# KiCad board mainboard.kicad_pcb
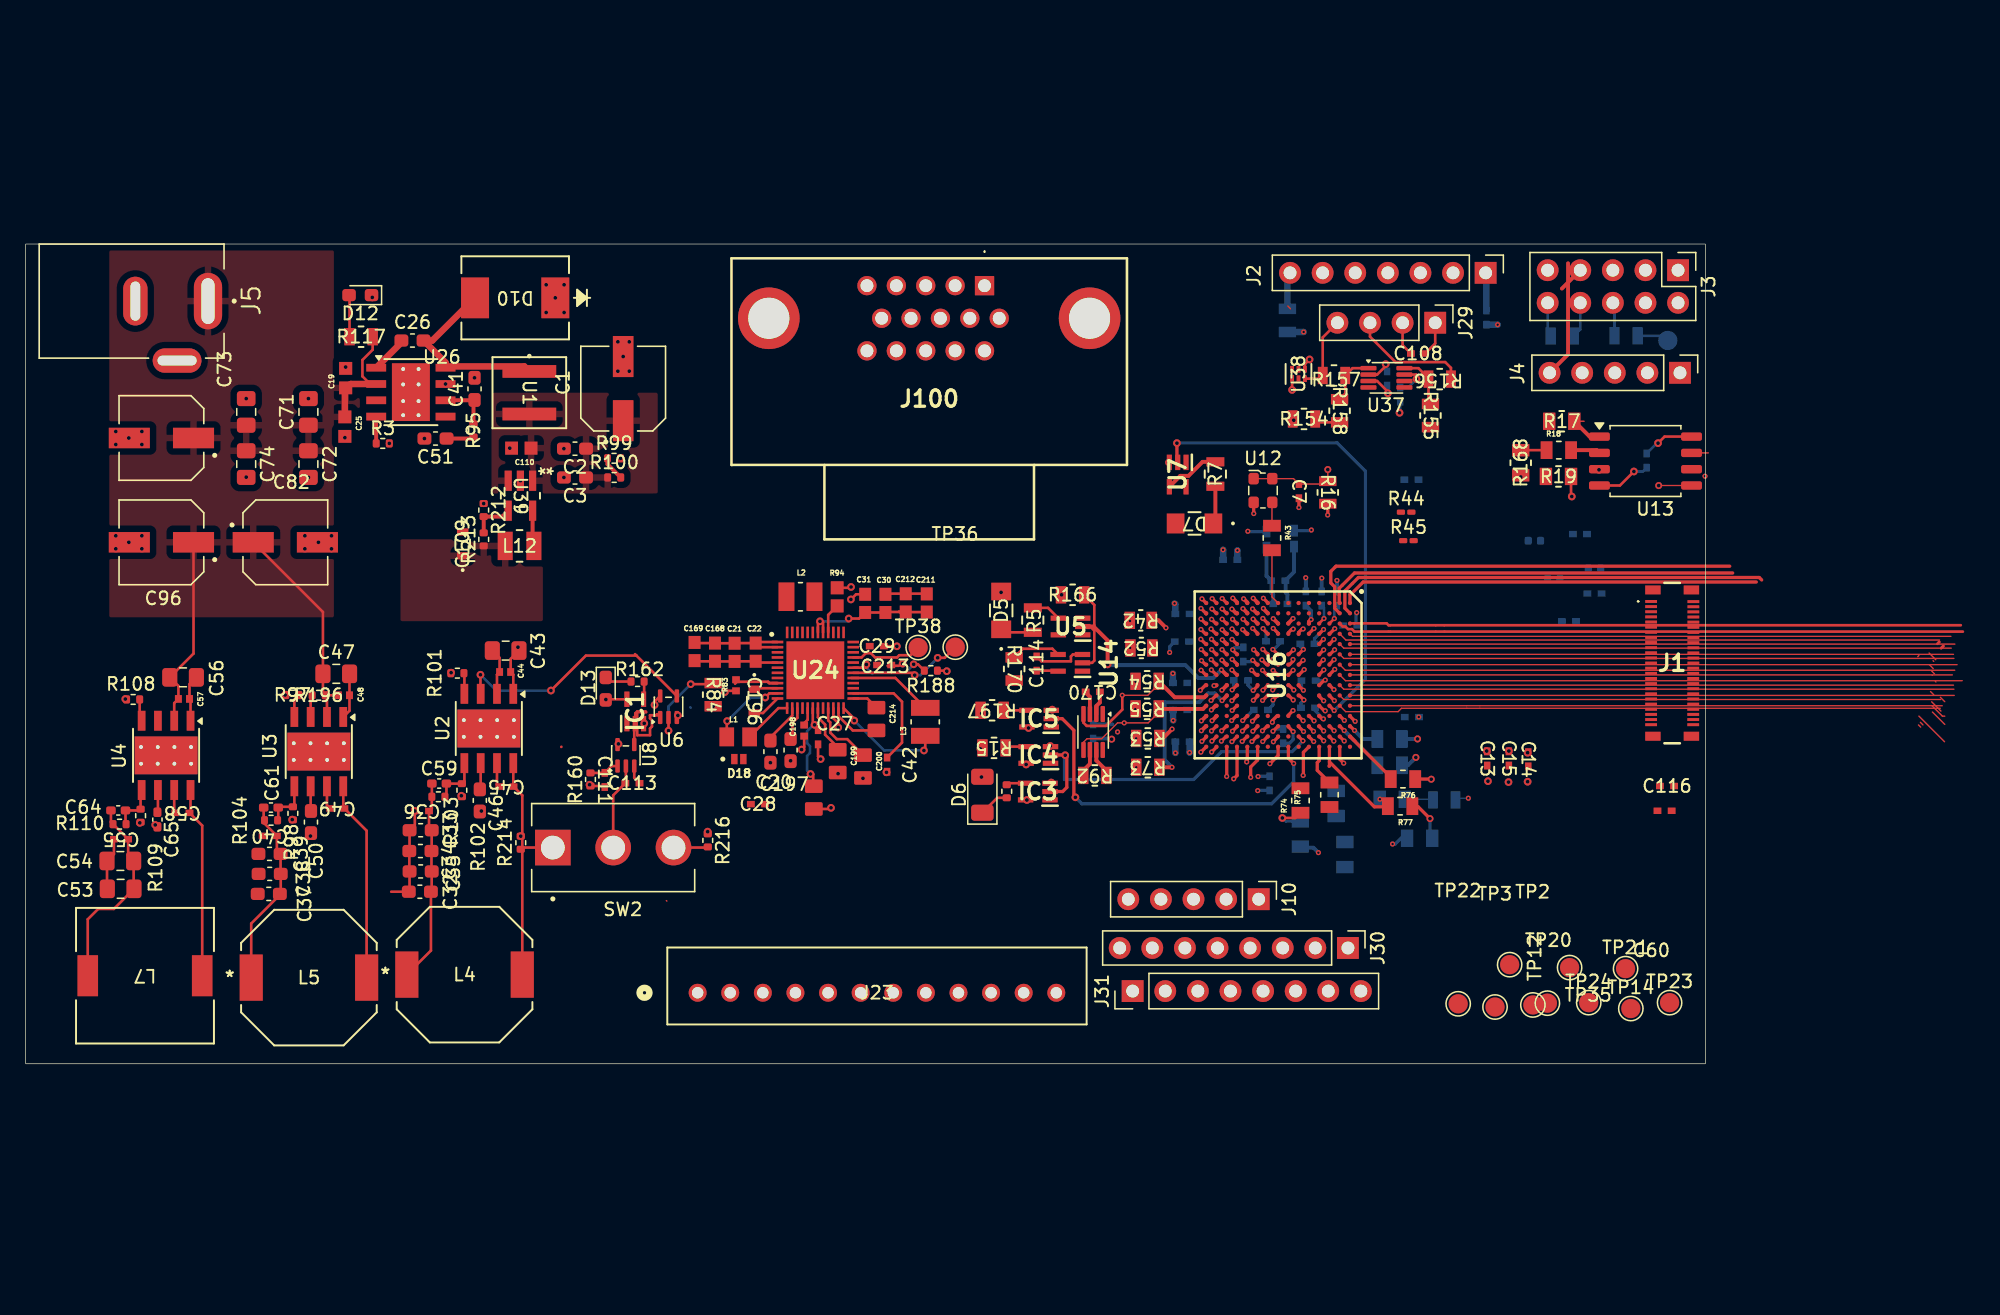
[diagram p0: board, top side]
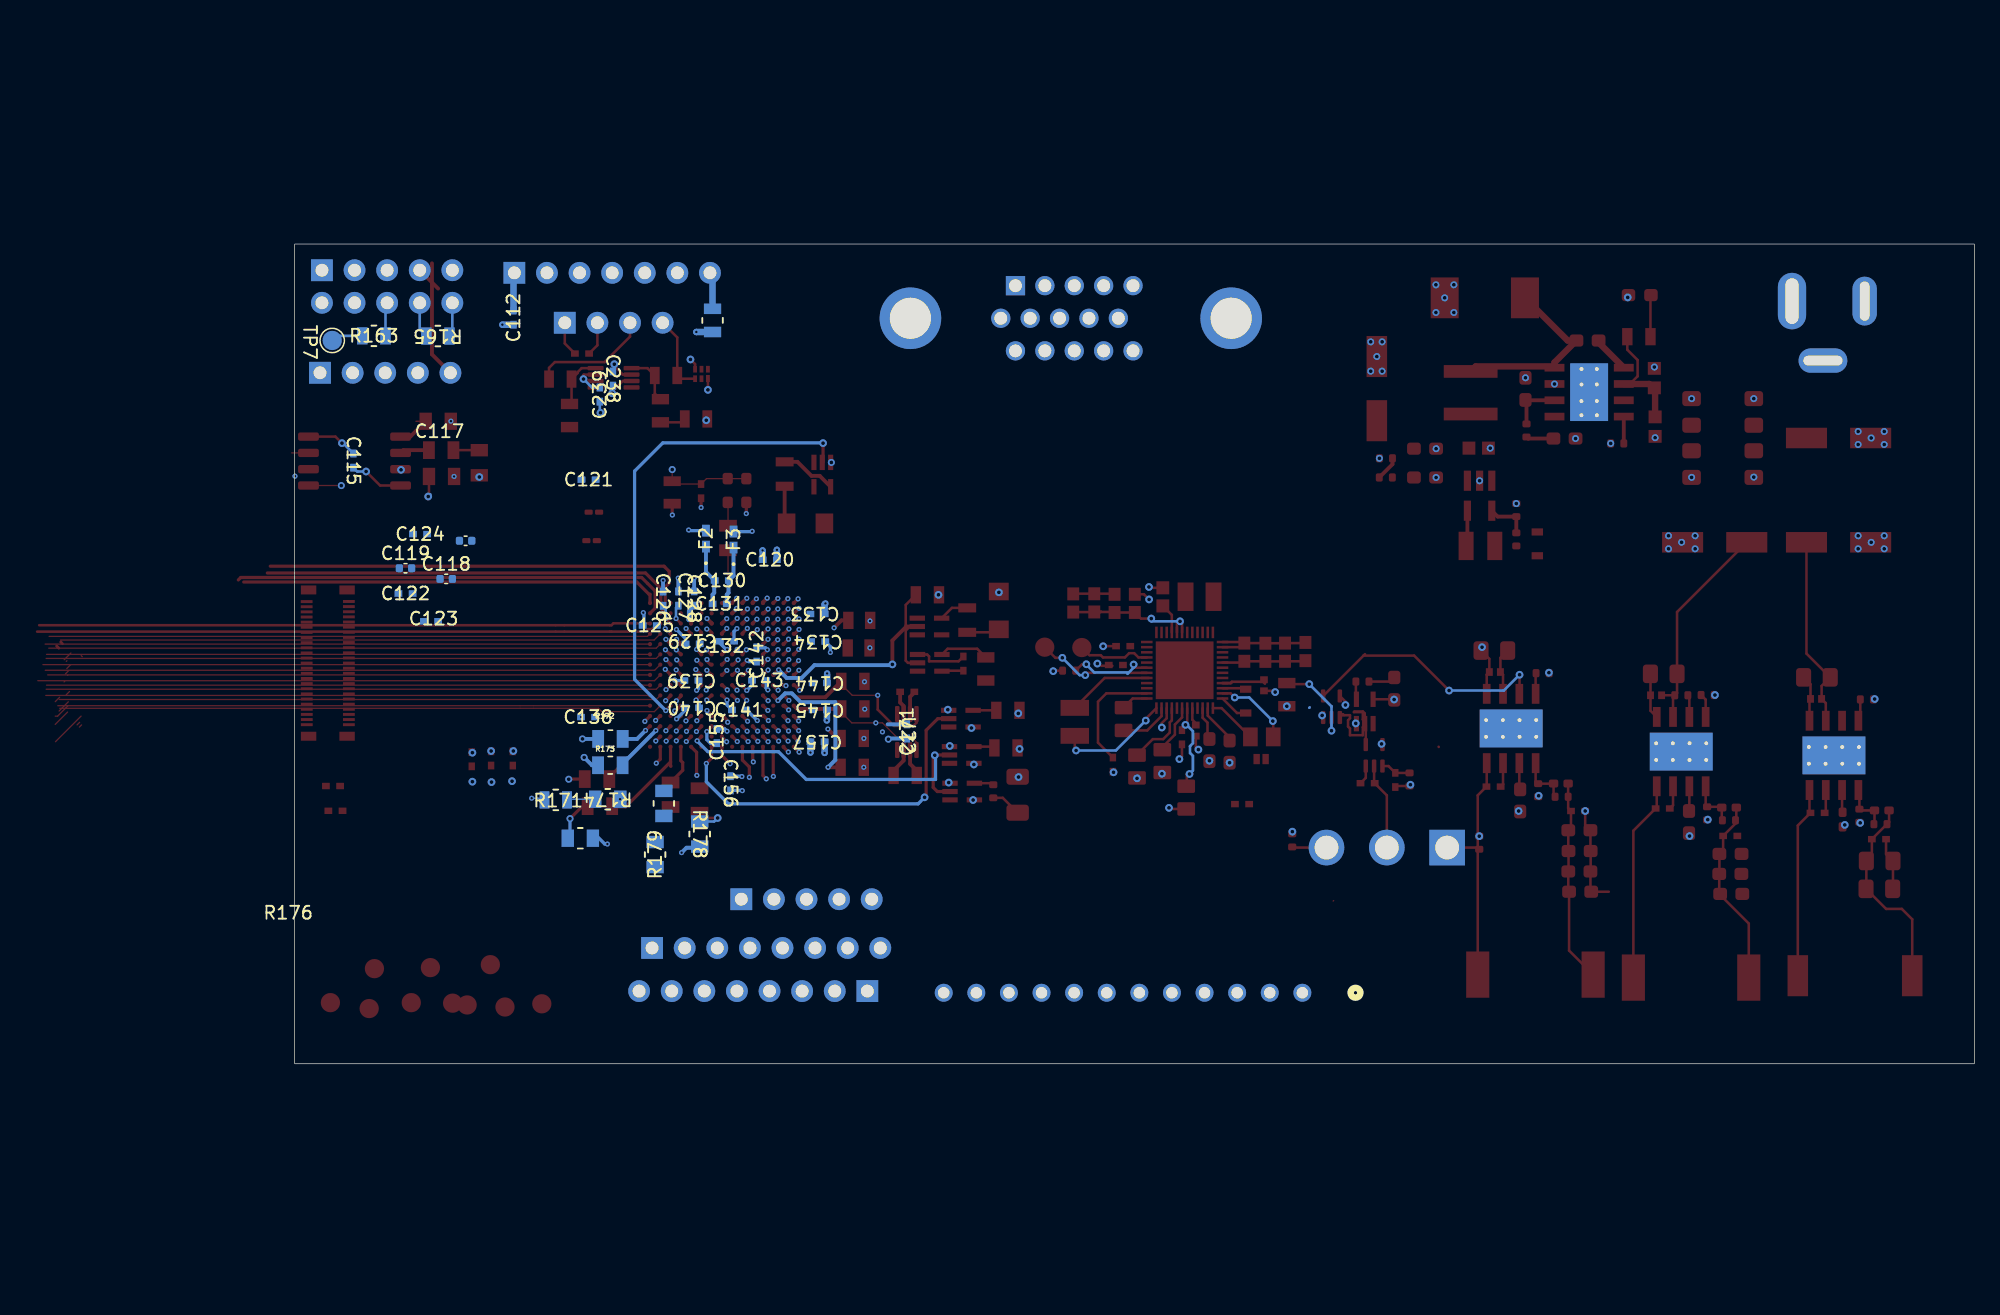
[diagram p1: board, bottom side, seen from below]

Outline 130.85 x 63.87 mm; copper layers: Top, In1.Cu, In2.Cu, In3.Cu, In4.Cu, In5.Cu, In6.Cu, In7.Cu, In8.Cu, Bottom. Coordinates in mm from the lower left corner of the outline.
Outline path: rectangle 0,63.87 130.85,0
Stack: Top 0.035mm / dielectric 0.1mm FR4 er 4.5 / In1.Cu 0.035mm / dielectric 0.1825mm FR4 er 4.5 / In2.Cu 0.035mm / dielectric 0.1mm FR4 er 4.5 / In3.Cu 0.035mm / dielectric 0.1825mm FR4 er 4.5 / In4.Cu 0.035mm / dielectric 0.1mm FR4 er 4.5 / In5.Cu 0.035mm / dielectric 0.1825mm FR4 er 4.5 / In6.Cu 0.035mm / dielectric 0.1mm FR4 er 4.5 / In7.Cu 0.035mm / dielectric 0.1825mm FR4 er 4.5 / In8.Cu 0.035mm / dielectric 0.1mm FR4 er 4.5 / Bottom 0.035mm

## Placement (name value [footprint] x y rotation side)
C1  100 uF  [CAP_EEEFT1V101AP]  46.55 52.61 90 top
C2  12pF  [C_0603_1608Metric_Pad1.08x0.95mm_HandSolder]  42.79 47.93 180 top
C3  12pF  [C_0603_1608Metric_Pad1.08x0.95mm_HandSolder]  42.79 45.68 180 top
C7  100nF  [CAP_CL05_SAM]  99.19 44.62 270 top
C13  100nF  [CAP_CL05_SAM]  113.86 23.79 270 top
C14  100nF  [CAP_CL05_SAM]  117.06 23.73 270 top
C15  100nF  [CAP_CL05_SAM]  115.55 23.79 270 top
C19  4.7uF  [GRM188C81E475KE11D]  24.93 53.43 90 top
C20  220nF  [C_0603_1608Metric_Pad1.08x0.95mm_HandSolder]  58.02 24.32 270 top
C21  22uF  [CAPC1608X100N]  55.23 32.06 270 top
C22  22uF  [CAPC1608X100N]  56.87 32.07 270 top
C25  4.7uF  [GRM188C81E475KE11D]  24.87 49.65 270 top
C26  100nF  [C_0603_1608Metric_Pad1.08x0.95mm_HandSolder]  30.13 56.35 0 top
C27  100nF  [CAP_CL05_SAM]  61.73 25.44 270 top
C28  4.7uF  [CAP_CL05_SAM]  57.05 20.23 0 top
C29  100nF  [CAP_CL05_SAM]  66.31 32.54 0 top
C30  22uF  [CAPC1608X100N]  66.98 35.87 90 top
C31  22uF  [CAPC1608X100N]  65.4 35.87 90 top
C32  22uF  [C_0603_1608Metric_Pad1.08x0.95mm_HandSolder]  30.71 13.4 180 top
C33  22uF  [C_0603_1608Metric_Pad1.08x0.95mm_HandSolder]  30.77 18.19 180 top
C34  22uF  [C_0603_1608Metric_Pad1.08x0.95mm_HandSolder]  30.75 16.57 180 top
C35  22uF  [C_0603_1608Metric_Pad1.08x0.95mm_HandSolder]  30.77 14.98 180 top
C36  100nF  [ul_CL05B104KO5NNNC]  30.87 19.69 180 top
C37  22uF  [C_0603_1608Metric_Pad1.08x0.95mm_HandSolder]  18.94 13.23 180 top
C38  22uF  [C_0603_1608Metric_Pad1.08x0.95mm_HandSolder]  19.01 14.79 180 top
C39  22uF  [C_0603_1608Metric_Pad1.08x0.95mm_HandSolder]  19 16.35 180 top
C40  100nF  [ul_CL05B104KO5NNNC]  19.02 17.75 180 top
C41  12pF  [C_0603_1608Metric_Pad1.08x0.95mm_HandSolder]  34.97 52.59 90 top
C42  100nF  [CAP_CL05_SAM]  67.11 23.31 90 top
C43  4.7uF  [C_0805_2012Metric_Pad1.18x1.45mm_HandSolder]  37.39 32.19 0 top
C44  220nF  [GRM155R6YA224KE01D]  37.35 30.52 0 top
C45  100nF  [ul_CL05B104KO5NNNC]  37.45 21.59 180 top
C46  1uF  [C_0603_1608Metric_Pad1.08x0.95mm_HandSolder]  35.38 20.52 270 top
C47  4.7uF  [C_0805_2012Metric_Pad1.18x1.45mm_HandSolder]  24.2 30.38 0 top
C48  220nF  [GRM155R6YA224KE01D]  24.79 28.71 0 top
C49  100nF  [ul_CL05B104KO5NNNC]  24.28 19.89 180 top
C50  1uF  [C_0603_1608Metric_Pad1.08x0.95mm_HandSolder]  22.23 18.83 270 top
C51  100pF  [C_0603_1608Metric_Pad1.08x0.95mm_HandSolder]  31.93 48.72 180 top
C53  10uF  [C_0805_2012Metric_Pad1.18x1.45mm_HandSolder]  7.4 13.63 180 top
C54  10uF  [C_0805_2012Metric_Pad1.18x1.45mm_HandSolder]  7.38 15.8 180 top
C55  100nF  [ul_CL05B104KO5NNNC]  7.43 17.5 180 top
C56  4.7uF  [C_0805_2012Metric_Pad1.18x1.45mm_HandSolder]  12.26 30.11 0 top
C57  220nF  [GRM155R6YA224KE01D]  12.33 28.43 0 top
C58  100nF  [ul_CL05B104KO5NNNC]  12.21 19.55 180 top
C59  4.7pF  [C_0402_1005Metric_Pad0.74x0.62mm_HandSolder]  32.21 21.83 0 top
C60  100nF  [ul_CL05B104KO5NNNC]  127.68 19.71 0 top
C61  10pF  [C_0402_1005Metric_Pad0.74x0.62mm_HandSolder]  19.11 19.96 0 top
C64  18pF  [C_0402_1005Metric_Pad0.74x0.62mm_HandSolder]  7.21 19.74 0 top
C65  1uF  [C_0402_1005Metric_Pad0.74x0.62mm_HandSolder]  10.26 19.03 270 top
C71  10 uF  [C_0805_2012Metric_Pad1.18x1.45mm_HandSolder]  22.03 50.79 90 top
C72  10 uF  [C_0805_2012Metric_Pad1.18x1.45mm_HandSolder]  22.03 46.73 270 top
C73  10 uF  [C_0805_2012Metric_Pad1.18x1.45mm_HandSolder]  17.18 50.79 90 top
C74  10 uF  [C_0805_2012Metric_Pad1.18x1.45mm_HandSolder]  17.18 46.73 270 top
C82  100 uF  [CAP_EEEFT1V101AP]  20.23 40.63 0 top
C83  100 uF  [CAP_EEEFT1V101AP]  10.58 48.76 180 top
C96  100 uF  [CAP_EEEFT1V101AP]  10.58 40.63 180 top
C108  100n  [CAP_CL05_SAM]  108.47 55.34 0 top
C109  10uF  [C1608X5R1A106M080AC]  34.05 40.51 90 top
C110  4.7uF  [GRM188C81E475KE11D]  38.61 47.97 180 top
C111  100nF  [ul_CL05B104KO5NNNC]  45.11 22.11 270 top
C112  100n  [CAP_CL05_SAM]  113.8 58.14 90 bottom
C113  100nF  [ul_CL05B104KO5NNNC]  47.27 21.86 0 top
C114  100n  [CAP_CL05_SAM]  78.76 31.18 90 top
C115  100n  [CAP_CL05_SAM]  126.28 47 270 bottom
C116  100nF  [CAP_CL05_SAM]  127.87 21.64 0 top
C117  220n  [C_0402_1005Metric]  117.54 40.75 180 bottom
C118  220n  [C_0402_1005Metric]  119.05 37.78 180 bottom
C119  220n  [C_0402_1005Metric]  122.22 38.61 180 bottom
C120  100nF  [CAP_CL05_SAM]  93.84 39.27 180 bottom
C121  100nF  [CAP_CL05_SAM]  107.96 45.51 180 bottom
C122  100nF  [CAP_CL05_SAM]  122.22 36.64 180 bottom
C123  100nF  [CAP_CL05_SAM]  120.23 34.48 180 bottom
C124  100nF  [CAP_CL05_SAM]  121.09 41.27 180 bottom
C125  100nF  [CAP_CL05_SAM]  103.19 34.15 180 bottom
C126  100nF  [CAP_CL05_SAM]  102.15 36.24 270 bottom
C127  100n  [CAP_CL05_SAM]  100.96 36.25 270 bottom
C128  100nF  [CAP_CL05_SAM]  99.73 36.25 270 bottom
C129  100nF  [CAP_CL05_SAM]  99.85 32.72 0 bottom
C130  100nF  [CAP_CL05_SAM]  97.58 37.65 180 bottom
C131  100nF  [CAP_CL05_SAM]  97.74 35.83 180 bottom
C132  100nF  [CAP_CL05_SAM]  97.17 32.92 180 bottom
C133  100nF  [CAP_CL05_SAM]  90.12 35.05 0 bottom
C134  100nF  [CAP_CL05_SAM]  90.07 32.9 0 bottom
C138  100n  [CAP_CL05_SAM]  108 27.01 180 bottom
C139  100nF  [CAP_CL05_SAM]  99.94 29.86 0 bottom
C140  100nF  [CAP_CL05_SAM]  99.9 27.74 0 bottom
C141  100nF  [CAP_CL05_SAM]  96.23 27.57 180 bottom
C142  100nF  [CAP_CL05_SAM]  94.86 31.89 90 bottom
C143  100nF  [CAP_CL05_SAM]  94.67 29.87 180 bottom
C144  100nF  [CAP_CL05_SAM]  89.94 29.67 0 bottom
C145  100nF  [CAP_CL05_SAM]  89.94 27.57 0 bottom
C155  100nF  [CAP_CL05_SAM]  97.96 25.53 90 bottom
C156  100nF  [CAP_CL05_SAM]  96.9 21.85 270 bottom
C157  100nF  [CAP_CL05_SAM]  90.12 25.1 0 bottom
C168  22uF  [CAPC1608X100N]  53.7 32.07 270 top
C169  22uF  [CAPC1608X100N]  52.11 32.12 270 top
C170  100n  [CAP_CL05_SAM]  83.13 28.98 180 top
C171  100n  [CAP_CL05_SAM]  83.16 25.89 90 bottom
C196  10uF  [C1608X5R1A106M080AC]  56.76 28.26 270 top
C197  220nF  [C_0603_1608Metric_Pad1.08x0.95mm_HandSolder]  59.59 24.44 90 top
C198  220nF  [GRM155R6YA224KE01D]  60.65 25.96 90 top
C199  2.2uF  [CAPC2012X135N]  63.26 23.58 270 top
C200  1uF  [CAPC2012X135N]  65.23 23.16 270 top
C201  1uF  [CAPC2012X135N]  61.4 20.74 270 top
C211  22uF  [CAPC1608X100N]  70.2 35.9 90 top
C212  22uF  [CAPC1608X100N]  68.56 35.91 90 top
C213  100nF  [CAP_CL05_SAM]  66.88 31.07 0 top
C214  1uF  [CAPC2012X135N]  66.28 26.86 270 top
C238  100nF  [CAP_CL05_SAM]  106.06 53.39 270 bottom
C239  100nF  [CAP_CL05_SAM]  107.08 52.14 90 bottom
D5  SML-LX1206SIC-TR  [LED_SML-LX1206SIC-TR_LUM-M]  76 35.32 90 top
D6  LED  [LED_1206_3216Metric]  74.53 20.96 90 top
D7  SML-LX1206SIC-TR  [LED_SML-LX1206SIC-TR_LUM-M]  91.06 42.1 180 top
D10  B560C  [SMC_DIO]  38.13 59.68 180 top
D12  LED  [LED_0603_1608Metric_Pad1.05x0.95mm_HandSolder]  26.07 59.89 180 top
D13  LED  [LED_0603_1608Metric_Pad1.05x0.95mm_HandSolder]  45.19 29.23 270 top
D18  D_Schottky  [DIO_PESD5V0S1UL_315]  55.56 23.74 0 top
F2  1500mA  [BLM15P_FBD-M]  98.81 40.92 90 bottom
F3  1500mA  [BLM15P_FBD-M]  96.66 40.85 90 bottom
IC1  SN74AUP1G06DCKR  [SOT65P210X110-5N]  47.49 27.45 90 top
IC3  SN74AUP1G06DCKR  [SOT65P210X110-5N]  78.85 21.21 180 top
IC4  SN74AUP1G07DCKR  [SOT65P210X110-5N]  78.89 24.06 180 top
IC5  SN74AUP1G07DCKR  [SOT65P210X110-5N]  78.95 26.89 180 top
J1  -  [AXT550124]  128.27 31.22 0 top
J2  Conn_01x07_Pin  [PinHeader_1x07_P2.54mm_Vertical]  113.74 61.63 270 top
J3  Conn_02x05_Odd_Even  [PinHeader_2x05_P2.54mm_Vertical]  128.73 61.83 270 top
J4  Conn_01x05_Pin  [PinHeader_1x05_P2.54mm_Vertical]  128.88 53.84 270 top
J5  EJ508B  [MPD_EJ508B]  11.79 59.43 270 top
J10  Conn_01x05_Pin  [PinHeader_1x05_P2.54mm_Vertical]  96.06 12.82 270 top
J23  B12B-XH-ALFSN  [B12B-XH-A-LF-SN-]  52.35 5.53 0 top
J29  Conn_01x04_Pin  [PinHeader_1x04_P2.54mm_Vertical]  109.81 57.74 270 top
J30  Conn_01x08_Pin  [PinHeader_1x08_P2.54mm_Vertical]  103.01 9.02 270 top
J31  Conn_01x08_Pin  [PinHeader_1x08_P2.54mm_Vertical#2]  86.24 5.66 90 top
J100  AHDF15A-KG-TAXB  [AHDF15AKGTAXB]  70.33 51.74 0 top
L1  10uH  [INDC2012X100N]  55.51 25.47 180 top
L2  2.2uH  [INDC2520X100N]  60.36 36.39 180 top
L3  2.2uH  [INDC2520X100N]  70.08 26.64 90 top
L4  SRU1038-3R5Y  [IND_BOURNS_SRU1038]  34.19 6.94 0 top
L5  SRU1038-3R5Y  [IND_BOURNS_SRU1038]  22.07 6.71 0 top
L7  DR1040-5R2-R  [DR1040]  9.29 6.86 180 top
L12  LQM2HPN2R2MG0L  [IND_LQM2HPN2R2MG0L_MUR]  38.48 40.35 0 top
R3  78.7k  [R_0402_1005Metric]  27.82 48.34 0 top
R5  100  [RES_CRCW_0805]  78.46 34.57 90 top  (not fitted)
R6  150  [R_0402_1005Metric]  76.43 21.23 90 top
R7  100  [RES_CRCW_0805]  92.68 45.95 90 top  (not fitted)
R15  10k  [STA_RMCF0805_STP]  75.44 24.61 180 top  (not fitted)
R16  0  [RES_R-070RL_VIS]  101.44 44.52 270 top  (not fitted)
R17  100k  [RES_RMCF0805_STP]  119.67 50.06 0 top  (not fitted)
R18  30.1  [RESC2012X60N]  119.44 47.81 0 top  (not fitted)
R19  100k  [RES_RMCF0805_STP]  119.41 45.76 0 top  (not fitted)
R42  7.87k  [RES_RM10_CCE]  86.87 34.55 180 top  (not fitted)
R43  30.1  [RESC2012X60N]  97.09 40.97 270 top  (not fitted)
R44  43  [R_0201_0603Metric_Pad0.64x0.40mm_HandSolder]  107.55 42.98 0 top
R45  43  [R_0201_0603Metric_Pad0.64x0.40mm_HandSolder]  107.72 40.76 0 top
R52  7.87k  [RES_RM10_CCE]  86.92 32.4 180 top  (not fitted)
R53  3.3k  [RES_ERJP06_PAN]  87.42 25.35 180 top  (not fitted)
R54  3.3k  [RES_ERJP06_PAN]  87.37 29.8 180 top  (not fitted)
R55  3.3k  [RES_ERJP06_PAN]  87.37 27.65 180 top  (not fitted)
R73  3.3k  [RES_ERJP06_PAN]  87.42 23.1 180 top  (not fitted)
R74  30.1  [RESC2012X60N]  99.31 20.51 90 top  (not fitted)
R75  30.1  [RESC2012X60N]  101.57 20.96 90 top  (not fitted)
R76  30.1  [RESC2012X60N]  107.3 22.18 180 top  (not fitted)
R77  30.1  [RESC2012X60N]  107.08 20.07 180 top  (not fitted)
R83  30.1  [RESC1005X40N]  55.34 29.49 270 top
R84  10k  [STA_RMCF0805_STP]  53.56 28.76 270 top  (not fitted)
R92  10k  [STA_RMCF0805_STP]  83.29 22.47 180 top  (not fitted)
R94  39m  [RESC1608X60N]  63.22 36.38 90 top
R95  22.1k  [R_0402_1005Metric]  34.89 49.35 270 top
R97  10k  [R_0402_1005Metric]  20.78 28.73 180 top
R98  124k  [R_0402_1005Metric]  20.82 19.51 270 top
R99  22.1k  [R_0402_1005Metric]  45.84 47.18 0 top
R100  22.1k  [R_0402_1005Metric]  45.85 45.68 0 top
R101  10k  [R_0402_1005Metric]  33.63 30.43 180 top
R102  499k  [R_0402_1005Metric]  33.98 21.31 270 top
R103  100k  [R_0402_1005Metric]  32.15 20.8 0 top
R104  100k  [R_0402_1005Metric]  19.12 18.97 0 top
R108  10k  [R_0402_1005Metric]  8.37 28.39 180 top
R109  43.2k  [R_0402_1005Metric]  8.95 19.33 270 top
R110  100k  [R_0402_1005Metric]  7.31 18.67 0 top
R117  3.3k  [RES_ERJP06_PAN]  26.13 56.65 0 top  (not fitted)
R154  0  [RES_R-070RL_VIS]  99.59 50.24 0 top  (not fitted)
R155  10k  [STA_RMCF0805_STP]  109.44 50.51 270 top  (not fitted)
R156  0  [RES_R-070RL_VIS]  110.16 53.35 180 top  (not fitted)
R157  0  [RES_R-070RL_VIS]  101.92 53.63 0 top  (not fitted)
R158  10k  [STA_RMCF0805_STP]  102.36 50.88 270 top  (not fitted)
R160  10k  [R_0402_1005Metric]  44 22.15 90 top
R162  200  [R_0402_1005Metric]  47.67 29.78 0 top
R163  10k  [STA_RMCF0805_STP]  124.68 56.72 180 bottom  (not fitted)
R164  10k  [STA_RMCF0805_STP]  98.3 57.92 90 bottom  (not fitted)
R165  10k  [STA_RMCF0805_STP]  119.7 56.7 0 bottom  (not fitted)
R166  10k  [STA_RMCF0805_STP]  81.56 36.54 0 top  (not fitted)
R168  100k  [RES_RMCF0805_STP]  116.47 46.83 90 top  (not fitted)
R170  10k  [STA_RMCF0805_STP]  77.01 30.76 270 top  (not fitted)
R171  0  [RES_R-070RL_VIS]  110.51 20.56 180 bottom  (not fitted)
R172  30.1  [RESC2012X60N]  106.26 25.31 180 bottom  (not fitted)
R173  30.1  [RESC2012X60N]  106.26 23.26 180 bottom  (not fitted)
R174  100k  [RES_RMCF0805_STP]  106.46 20.61 0 bottom  (not fitted)
R176  100k  [RES_RMCF0805_STP]  108.6 17.57 180 bottom  (not fitted)
R177  100k  [RES_RMCF0805_STP]  102.09 20.28 90 bottom  (not fitted)
R178  100k  [RES_RMCF0805_STP]  99.3 17.9 270 bottom  (not fitted)
R179  100k  [RES_RMCF0805_STP]  102.77 16.3 90 bottom  (not fitted)
R188  100k  [R_0402_1005Metric]  70.52 30.63 180 top
R196  10k  [R_0402_1005Metric]  22.83 28.71 180 top
R197  10k  [STA_RMCF0805_STP]  75.29 27.54 180 top  (not fitted)
R212  78.7k  [R_0402_1005Metric]  35.68 43.14 270 top
R213  360k  [R_0402_1005Metric]  35.68 40.86 90 top
R214  10k  [R_0402_1005Metric]  38.57 17.22 90 top
R216  10k  [R_0402_1005Metric]  53.14 17.4 270 top
SW2  100SP1T1B4M2QE  [SW_100SP1T1B4M2QE]  45.77 16.84 90 top
TP2  TestPoint  [TestPoint_Pad_D1.5mm]  117.42 4.58 0 top
TP3  TestPoint  [TestPoint_Pad_D1.5mm]  114.47 4.42 0 top
TP7  TestPoint  [TestPoint_Pad_D1.5mm]  127.93 56.36 180 bottom
TP12  TestPoint  [TestPoint_Pad_D1.5mm]  115.61 7.72 270 top
TP14  TestPoint  [TestPoint_Pad_D1.5mm]  125.05 4.3 0 top
TP20  TestPoint  [TestPoint_Pad_D1.5mm]  120.28 7.49 0 top
TP21  TestPoint  [TestPoint_Pad_D1.5mm]  124.64 7.41 0 top
TP22  TestPoint  [TestPoint_Pad_D1.5mm]  111.6 4.67 0 top
TP23  VOFS  [TestPoint_Pad_D1.5mm]  128.07 4.76 0 top
TP24  VBIAS  [TestPoint_Pad_D1.5mm]  121.77 4.76 0 top
TP35  TestPoint  [TestPoint_Pad_D1.5mm]  118.55 4.72 0 top
TP36  SENS2  [TestPoint_Pad_D1.5mm]  72.42 32.46 0 top
TP38  SENS1  [TestPoint_Pad_D1.5mm]  69.53 32.43 0 top
U1  XAL5030-472MEC  [XAL5030-472MEC_COC]  39.24 52.29 270 top
U2  LMR33610BDDAR  [Texas_HSOP-8-1EP_3.9x4.9mm_P1.27mm_ThermalVias]  36.08 26.12 270 top
U3  LMR33610BDDAR  [Texas_HSOP-8-1EP_3.9x4.9mm_P1.27mm_ThermalVias]  22.84 24.32 270 top
U4  LMR33610BDDAR  [Texas_HSOP-8-1EP_3.9x4.9mm_P1.27mm_ThermalVias]  10.94 24.03 270 top
U5  SN74AUP1G06DCKR  [SOT65P210X110-5N]  81.4 34.07 180 top
U6  74AHC1G08  [SOT-353_SC-70-5]  50.08 27.82 90 top
U7  SN74AUP1G06DCKR  [SOT65P210X110-5N]  89.75 45.91 270 top
U8  74AHC1G32  [SOT-353_SC-70-5]  46.76 24.03 90 top
U12  ECS-2520MV-xxx-xx  [Oscillator_SMD_ECS_2520MV-xxx-xx-4Pin_2.5x2.0mm]  96.39 44.67 0 top
U13  MX25L3233FM2  [SOIC-8_5.3x5.3mm_P1.27mm]  126.19 46.96 0 top
U14  SN74AUP1G06DCKR  [SOT65P210X110-5N]  81.38 31.24 180 top
U16  DLPC1438ZEZ  [BGA201C80P15X15_1300X1300X100]  97.57 30.3 270 top
U22  TXS0102DCU  [VSSOP-8_2.3x2mm_P0.5mm]  83.16 25.85 270 top
U24  DLPA2005ERSLT  [QFN40P600X600X100-49N-D]  61.52 30.66 0 top
U26  TPS54340DDA  [TI_SO-PowerPAD-8_ThermalVias]  30.01 52.33 0 top
U37  TXS0102DCU  [VSSOP-8_2.3x2mm_P0.5mm]  106.01 53.45 0 top
U38  TPD2E001DRYR  [DRY6]  99.16 53.75 90 top
U39  TPS62260DDCT  [DDC5]  38.54 44.26 270 top

## Library data of the parts
C1 C82 C83 C96 = -: Description: Polarized capacitor, US symbol; ki_fp_filters: CP_*
C2 C3 C19 C25 C26 C41 C51 C109 C110 = -: Description: Unpolarized capacitor; Manufacturer_Name: GRM188C81E475KE11D; ki_fp_filters: C_*
C7 C13-C15 C116 C120-C126 C128-C134 C139-C145 C155-C157 C238 C239 = -: Description: Unpolarized capacitor; DigiKey_Part_Number: 311-1140-1-ND; SnapEDA_Link: https://www.snapeda.com/parts/CC0805KRX7R9BB104/Yageo/view-part/?ref=snap; Description_1: 0.1 µF ±10% 50V Ceramic Capacitor X7R 0805 (2012 Metric); Package: 0805 Yageo; Check_prices: https://www.snapeda.com/parts/CC0805KRX7R9BB104/Yageo/view-part/?ref=eda; MF: Yageo; MP: CC0805KRX7R9BB104; MANUFACTURER: YAGEO
C20 C27-C29 C42 C196 C197 C199-C201 C213 C214 = -: Description: Unpolarized capacitor; ki_fp_filters: C_*
C21 C22 C30 C31 C168 C169 C211 C212 = -: Description: Unpolarized capacitor; Part Number: 810-C1608X5R1A226M; ki_fp_filters: C_*
C32-C35 C37-C39 = -: Description: Unpolarized capacitor; Manufacturer_Name: C1608X5R1A226M080AC; ki_fp_filters: C_*
C36 C40 C45 C49 C55 C58 C60 C111 C113 = -: Description: Unpolarized capacitor; Manufacturer_Name: CL05B104KO5NNNC; ki_fp_filters: C_*
C43 C47 C56 = -: Datasheet: CL21A475KBQNNNE; Description: Unpolarized capacitor; Manufacturer_Name: GRM188C81E475KE11D; ki_fp_filters: C_*
C44 C48 C57 = -: Description: Unpolarized capacitor; Manufacturer_Name: GRM155R6YA224KE01D; ki_fp_filters: C_*
C46 C50 C65 = -: Description: Unpolarized capacitor; Manufacturer_Name: CL05A105KA5NQNC; ki_fp_filters: C_*
C53 C54 = -: Description: Unpolarized capacitor; Manufacturer_Name: C2012X5R1V106M085AC; ki_fp_filters: C_*
C59 = -: Description: Unpolarized capacitor; Manufacturer_Name: GCM1555C1H4R7CA16D; ki_fp_filters: C_*
C61 = -: Description: Unpolarized capacitor; Manufacturer_Name: KGM05ACG1H100JH; ki_fp_filters: C_*
C64 = -: Description: Unpolarized capacitor; Manufacturer_Name: CGA2B2C0G1H180J050BA; ki_fp_filters: C_*
C71-C74 = -: Description: Unpolarized capacitor; Part Number: C2012X5R1V106M085AC; ki_fp_filters: C_*
C108 C112 C114 C115 C127 C138 C170 C171 = -: Datasheet: TMK105BJ104KV-F; Description: Unpolarized capacitor; Manufacturer_Part_Number: CL05B104KO5NNNC; DigiKey_Part_Number: 311-1140-1-ND; SnapEDA_Link: https://www.snapeda.com/parts/CC0805KRX7R9BB104/Yageo/view-part/?ref=snap; Description_1: 0.1 µF ±10% 50V Ceramic Capacitor X7R 0805 (2012 Metric); Package: 0805 Yageo; Check_prices: https://www.snapeda.com/parts/CC0805KRX7R9BB104/Yageo/view-part/?ref=eda; MF: Yageo; MP: CC0805KRX7R9BB104; MANUFACTURER: YAGEO
C117 C119 = -: Description: Unpolarized capacitor; Manufacturer_Part_Number: CL05B104KO5NNNC; ki_fp_filters: C_*
C118 = -: Description: Unpolarized capacitor; Manufacturer_Part_Number: C1608X7R1E224K; ki_fp_filters: C_*
C198 = -: Description: Unpolarized capacitor; Manufacturer_Name: C1005X5R1E224K050BC; ki_fp_filters: C_*
D5 D7 = -: ki_fp_filters: LED_SML-LX1206SIC-TR_LUM LED_SML-LX1206SIC-TR_LUM-M LED_SML-LX1206SIC-TR_LUM-L
D6 = -: Description: Light emitting diode; Sim.Pins: 1=K 2=A; Manufacturer_Part_Number: SML-LX1206USBC-TR; ki_fp_filters: LED* LED_SMD:* LED_THT:*
D10 = -: Datasheet: https://diotec.com/de/produktliste/D.html; Description: Diode
D12 D13 = -: Description: Light emitting diode; Sim.Pins: 1=K 2=A; Part Number: LTST-C190GKT; ki_fp_filters: LED* LED_SMD:* LED_THT:*
D18 = -: Description: Schottky diode; ki_fp_filters: TO-???* *_Diode_* *SingleDiode* D_*
F2 F3 = -: Datasheet: BLM15PD800SN1D; ki_fp_filters: BLM15P_FBD BLM15P_FBD-M BLM15P_FBD-L
IC1 IC3 U5 U7 U14 = -: Datasheet: http://www.ti.com/lit/gpn/sn74aup1g06; Description: Low-Power Single Inverter Buffer/Driver with Open-Drain Outputs; Height: 1.1; Mouser Part Number: 595-SN74AUP1G06DCKR; Mouser Price/Stock: https://www.mouser.co.uk/ProductDetail/Texas-Instruments/SN74AUP1G06DCKR?qs=X3IDIfI%252BJAVtzq677rSX8Q%3D%3D; Manufacturer_Name: Texas Instruments
IC4 IC5 = -: Datasheet: http://www.ti.com/lit/ds/symlink/sn74aup1g07.pdf; Description: Low-Power Single Buffer/Driver with Open-Drain Outputs; Height: 1.1; Mouser Part Number: 595-SN74AUP1G07DCKR; Mouser Price/Stock: https://www.mouser.co.uk/ProductDetail/Texas-Instruments/SN74AUP1G07DCKR/?qs=X3IDIfI%252BJAXaVgz8%252BnkPnQ%3D%3D; Manufacturer_Name: Texas Instruments
J1 = -: Datasheet: https://industry.panasonic.com/ac/cdn/e/control/connector/base-fpc/catalog/con_eng_f4s.pdf; Description: Board to Board & Mezzanine Connectors CONN SOCKET F4S 50 POS 0.4mm; Height: 1.17; Mouser Part Number: 769-AXT550124; Mouser Price/Stock: https://www.mouser.co.uk/ProductDetail/Panasonic-Industrial-Devices/AXT550124?qs=2rFUEsTwVNycNi3eEdtqjQ%3D%3D; Manufacturer_Name: Panasonic
J2 = -: Description: Generic connector, single row, 01x07, script generated; ki_fp_filters: Connector*:*_1x??_*
J3 = -: Description: Generic connector, double row, 02x05, odd/even pin numbering scheme (row 1 odd numbers, row 2 even numbers), script generated (kicad-library-utils/schlib/autogen/connector/); ki_fp_filters: Connector*:*_2x??_*
J4 J10 = -: Description: Generic connector, single row, 01x05, script generated; ki_fp_filters: Connector*:*_1x??_*
J5 = -: PARTREV: G; STANDARD: Manufacturer Recommendations; MAXIMUM_PACKAGE_HEIGHT: 10.67 mm; MANUFACTURER: MPD
J23 = -: ki_fp_filters: CONN_B12B-XH-A_JST
J29 = -: Description: Generic connector, single row, 01x04, script generated; ki_fp_filters: Connector*:*_1x??_*
J30 J31 = -: Description: Generic connector, single row, 01x08, script generated; ki_fp_filters: Connector*:*_1x??_*
J100 = -: ki_fp_filters: CONN_AHDF15A-KG-TAXB_ASM
L1-L3 = -: Description: Inductor; ki_fp_filters: Choke_* *Coil* Inductor_* L_*
L4 L5 = -: ki_fp_filters: IND_BOURNS_SRU1038
L7 = -: ki_fp_filters: DR1040
L12 = -: ki_fp_filters: IND_LQM2HPN2R2MG0L_MUR IND_LQM2HPN2R2MG0L_MUR-M IND_LQM2HPN2R2MG0L_MUR-L
R3 R95 R97 R99-R101 R108 R160 R196 R212-R214 R216 = -: Description: Resistor, US symbol; Manufacturer_Part_Number: RC0402FR-0710KL; ki_fp_filters: R_*
R5 R7 = -: Datasheet: https://www.vishay.com/doc?20035; Description: Resistor, US symbol; Manufacturer_Part_Number: CRCW0805100RFKEA; ki_fp_filters: RES_CRCW_0805 RES_CRCW_0805-M RES_CRCW_0805-L
R6 = -: Description: Resistor, US symbol; Manufacturer_Part_Number: ERJ-2RKF1500X; ki_fp_filters: R_*
R15 R84 R92 R155 R158 R163-R166 R170 R197 = -: Datasheet: RMCF0805FT10K0; Description: Resistor, US symbol; Manufacturer_Part_Number: RMCF0805FT10K0; ki_fp_filters: STA_RMCF0805_STP STA_RMCF0805_STP-M STA_RMCF0805_STP-L
R16 R154 R156 R157 R171 = -: Datasheet: RC0805JR-070RL; Description: Resistor, US symbol; Manufacturer_Part_Number: RC0805JR-070RL; ki_fp_filters: RES_R-070RL_VIS RES_R-070RL_VIS-M RES_R-070RL_VIS-L
R17 R19 R168 R174 R176-R179 = -: Datasheet: RMCF0805FG100K; Description: Resistor, US symbol; Manufacturer_Part_Number: RMCF0805FG100K; ki_fp_filters: RES_RMCF0805_STP RES_RMCF0805_STP-M RES_RMCF0805_STP-L
R18 R43 R74-R77 R83 R172 R173 = -: Description: Resistor, US symbol; Manufacturer_Part_Number: RC0805FR-0730R1L; DigiKey_Part_Number: 311-30.1CRCT-ND; SnapEDA_Link: https://www.snapeda.com/parts/RC0805FR-0730R1L/Yageo/view-part/?ref=snap; Description_1: 30.1 Ohms ±1% 0.125W, 1/8W Chip Resistor 0805 (2012 Metric) Moisture Resistant Thick Film; MF: Yageo; Package: 2012 Yageo; Check_prices: https://www.snapeda.com/parts/RC0805FR-0730R1L/Yageo/view-part/?ref=eda; MP: RC0805FR-0730R1L
R42 R52 = -: Datasheet: RM10F7871CT; Description: Resistor, US symbol; Manufacturer_Part_Number: CRCW0402100KFKED; ki_fp_filters: RES_RM10_CCE RES_RM10_CCE-M RES_RM10_CCE-L
R44 R45 = -: Description: Resistor, US symbol; ki_fp_filters: RES_R-070RL_VIS RES_R-070RL_VIS-M RES_R-070RL_VIS-L
R53-R55 R73 R117 = -: Datasheet: ERJP06F3301V; Description: Resistor, US symbol; ki_fp_filters: RES_ERJP06_PAN RES_ERJP06_PAN-M RES_ERJP06_PAN-L